# Altium PCB BaseBoard.PcbDoc (part 1 of 3)
Units mm, origin at the board's own origin, x right, y up, seen from the top; angles counter-clockwise.
Board outline 100 x 99.95 mm, 2 copper layers (Top Layer, Bottom Layer), stack 1.57 mm thick; 129 components, 191 nets, 936 pads, 326 vias.
Unrouted connection lines stored in the file: 13.
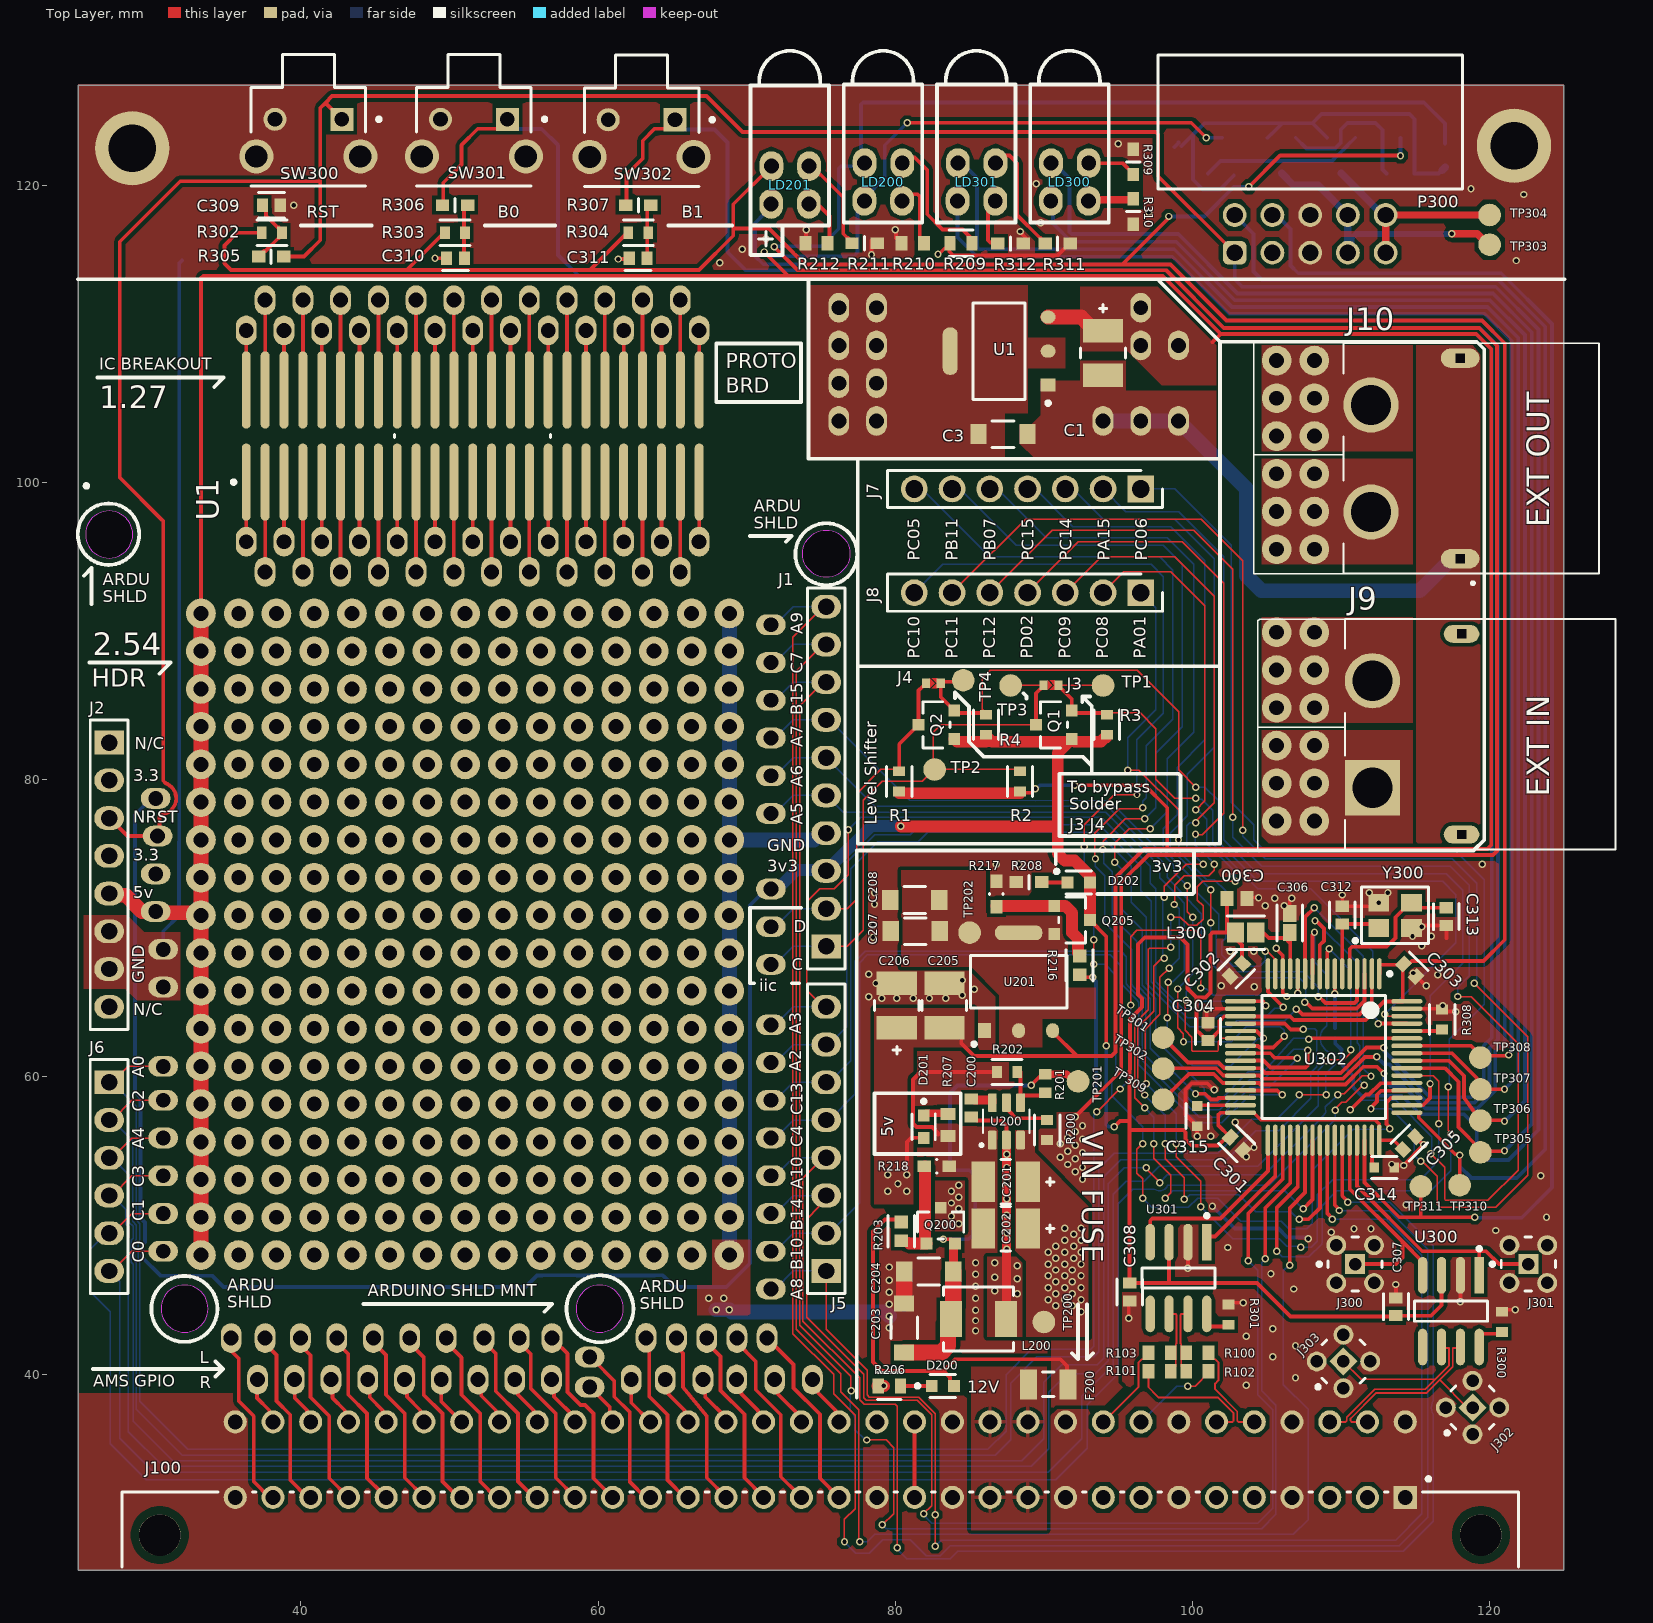
[diagram p0: Top Layer view]
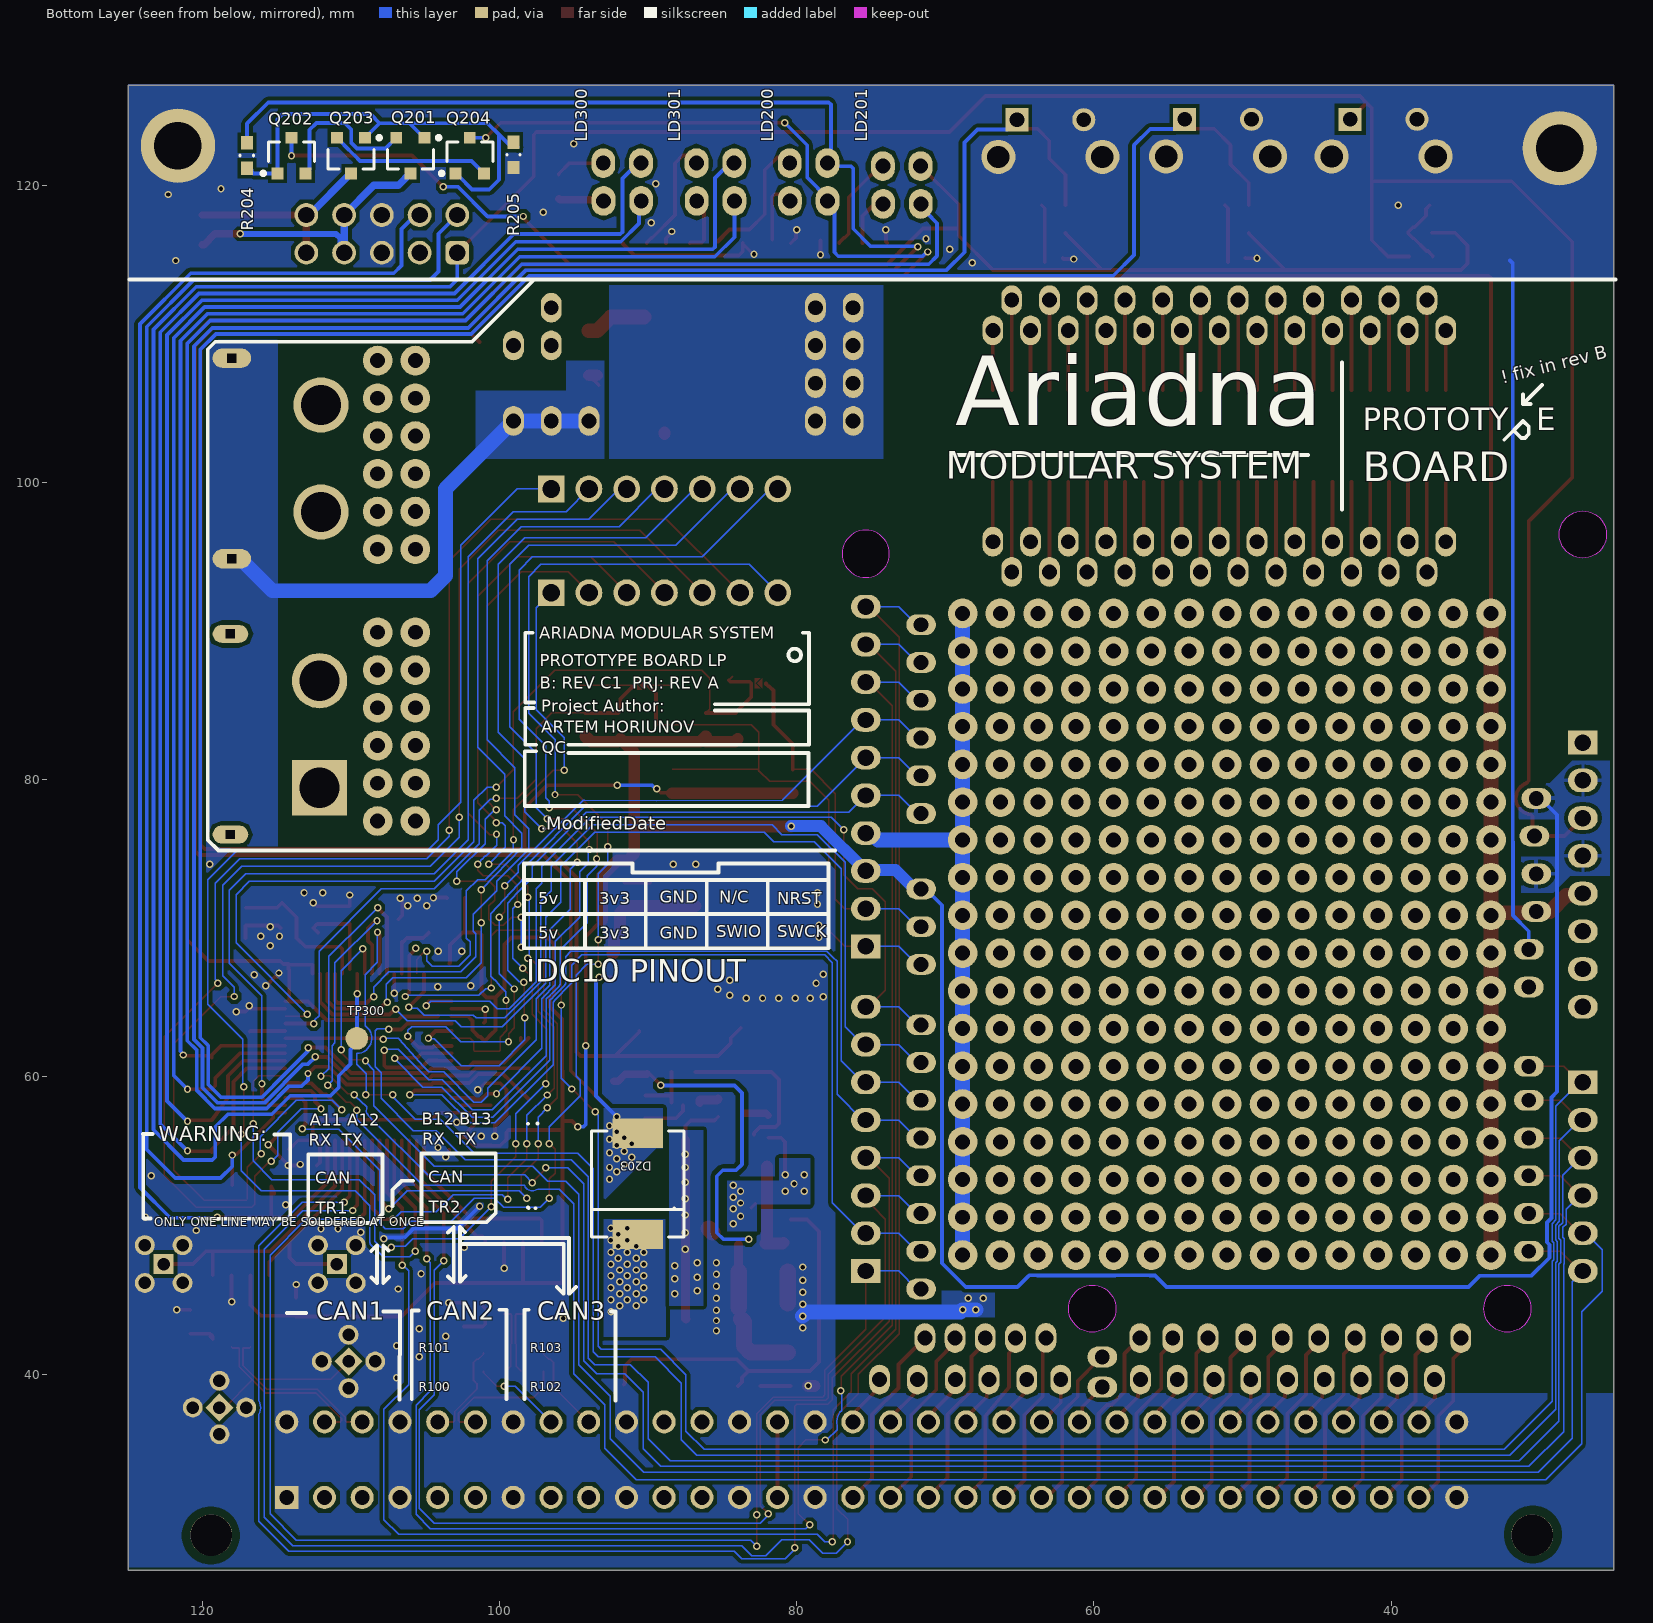
[diagram p1: Bottom Layer view, seen from below]
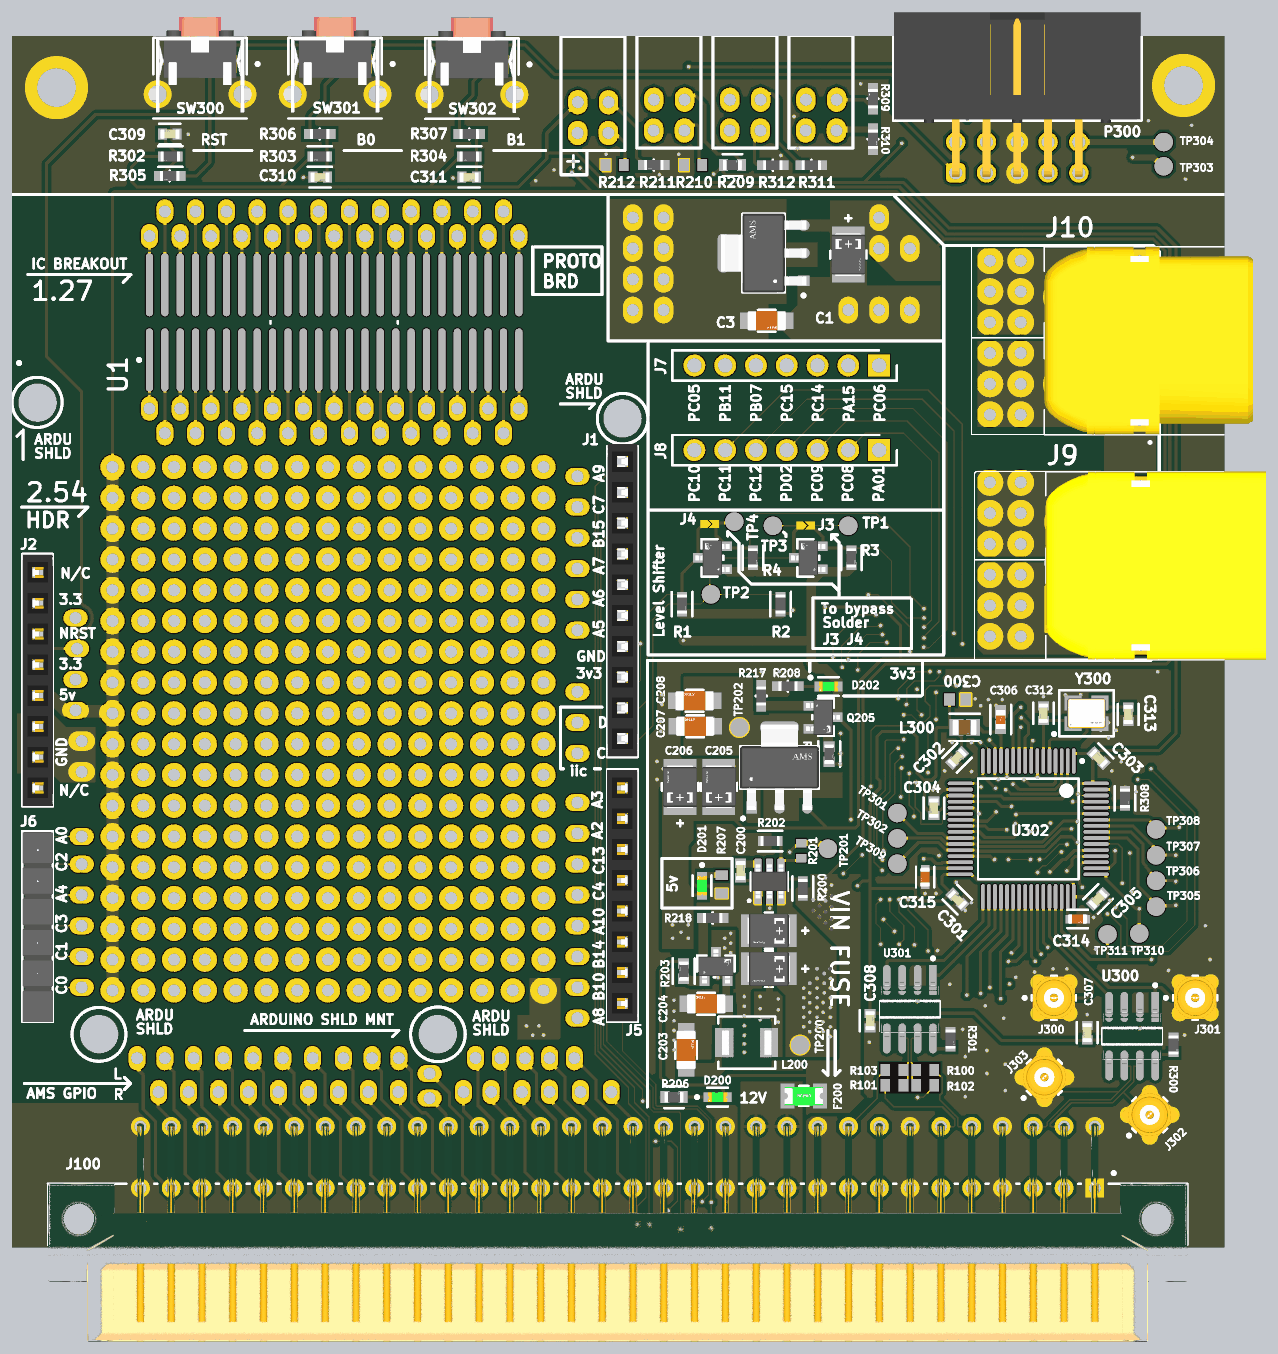
[diagram p4: 3D render of the assembled board from above, using the file's embedded part models]
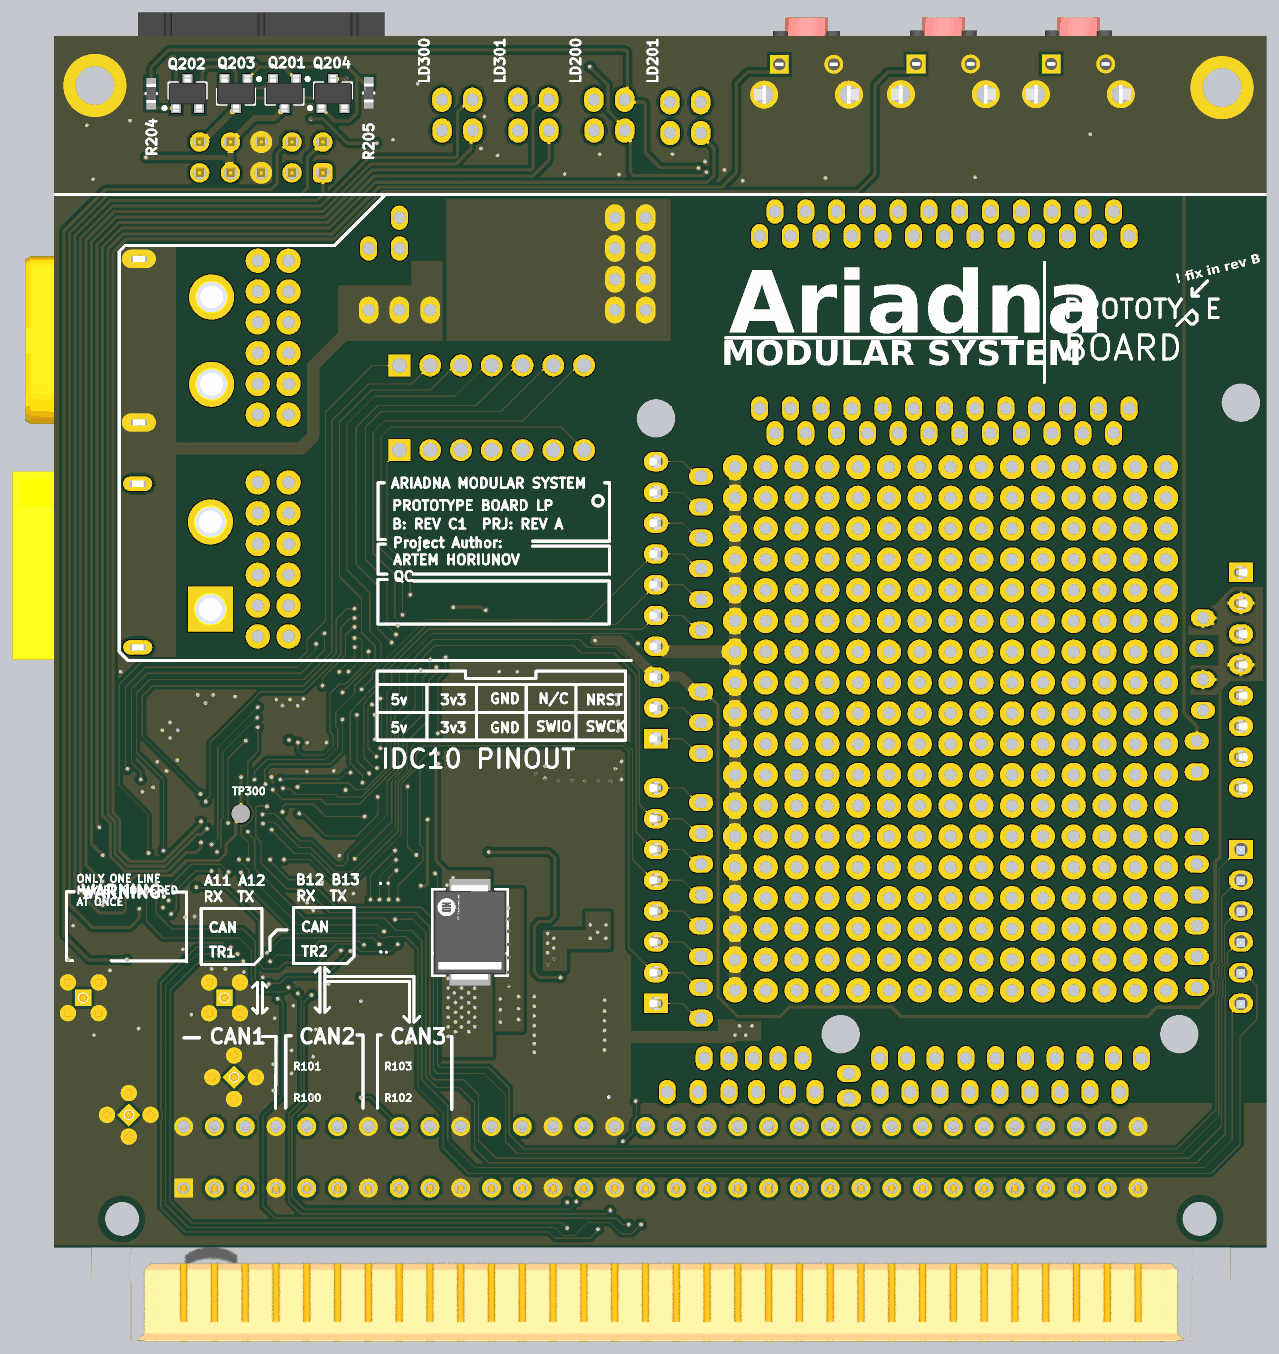
[diagram p5: 3D render of the assembled board from below, using the file's embedded part models]

## Layer stack, top to bottom
Top Solder: solder mask 0.0127, Solder Resist, Dk 3.8
Top Layer: signal copper 0.035
Dielectric: core 1.5, FR-4, Dk 4.5
Bottom Layer: signal copper 0.035
Bottom Solder: solder mask 0.0127, Solder Resist, Dk 3.8

## Board outline
25,26.801 125,26.801 125,126.746 25,126.746
cut-out: 73.765,95.201 cw(c75.352,95.201) 75.352,96.788 cw(c75.352,95.201) 76.94,95.201 cw(c75.352,95.201) 75.352,93.613 cw(c75.352,95.201)
cut-out: 27.092,98.088 ccw(c27.092,96.501) 25.505,96.501 ccw(c27.092,96.501) 27.092,94.913 ccw(c27.092,96.501) 28.68,96.501 ccw(c27.092,96.501)
cut-out: 32.172,45.988 ccw(c32.172,44.401) 30.585,44.401 ccw(c32.172,44.401) 32.172,42.813 ccw(c32.172,44.401) 33.76,44.401 ccw(c32.172,44.401)
cut-out: 60.112,45.988 ccw(c60.112,44.401) 58.525,44.401 ccw(c60.112,44.401) 60.112,42.813 ccw(c60.112,44.401) 61.7,44.401 ccw(c60.112,44.401)

## Design rules (kind name [scope] priority, off if disabled: settings)
Clearance [All] p1: gap=0.254 ignorepadtopadclearanceinfootprint=TRUE except(0: Arc-Hole Track-Hole SMDPad-Hole THPad-Hole Via-Hole Fill-Hole Poly-Hole Region-Hole Text-Hole; 0.127: Arc-Arc Arc-Track Track-Track SMDPad-SMDPad; 0.2: Arc-SMDPad Track-SMDPad; 0.5: THPad-THPad)
DiffPairsRouting can [All] p1: maxlimit=0.127 minlimit=0.127 mostfreqgap=0.127 toplayer_minwidth=0.123 toplayer_maxwidth=0.123 toplayer_prefwidth=0.123 bottomlayer_minwidth=0.123 bottomlayer_maxwidth=0.123 bottomlayer_prefwidth=0.123 impedanceprofiledriven=TRUE impedanceprofileid={8F7F3E9A-355B-4B22-9086-D077723CAE70} impedanceprofilevalue=120.000000 maxuncoupledlength=12.7
HoleSize [All] p1: absolutevalues=TRUE maxlimit=6.3 minlimit=0.3 maxpercent=80.000 minpercent=20.000
MinimumSolderMaskSliver [All] p1: minsoldermaskwidth=0.127
PolygonConnect "LDO 5v" [InNet('5v')] p1: connectstyle=Direct reliefconductorwidth=0.254 reliefentries=4 polygonreliefangle="90 Angle" airgapwidth=0.254
PolygonConnect LDO_out_releaf [InNet('LDO_OUT')] p2: thpad.connectstyle=Direct thpad.reliefconductorwidth=0.254 thpad.reliefentries=4 thpad.polygonreliefangle="90 Angle" thpad.airgapwidth=0.254 smdpad.connectstyle=Direct smdpad.reliefconductorwidth=0.254 smdpad.reliefentries=4 smdpad.polygonreliefangle="90 Angle" smdpad.airgapwidth=0.254 via.connectstyle=Relief via.reliefconductorwidth=0.254 via.reliefentries=4 via.polygonreliefangle="90 Angle" via.airgapwidth=0.254
PolygonConnect EXT_out+ [InNet('EXT_OUT+')] p3: connectstyle=Direct reliefconductorwidth=0.254 reliefentries=4 polygonreliefangle="90 Angle" airgapwidth=0.254
PolygonConnect EXT_out- [InNet('EXT_OUT-')] p4: connectstyle=Direct reliefconductorwidth=0.254 reliefentries=4 polygonreliefangle="90 Angle" airgapwidth=0.254
PolygonConnect EXT_pwr_no_releaf2 [InNet('EXT_PWR+')] p5: connectstyle=Direct reliefconductorwidth=0.254 reliefentries=4 polygonreliefangle="90 Angle" airgapwidth=0.254
PolygonConnect EXT_pwr_no_releaf [InNet('EXT_PWR-')] p6: connectstyle=Direct reliefconductorwidth=0.254 reliefentries=4 polygonreliefangle="90 Angle" airgapwidth=0.254
PolygonConnect GND_polygon [InNet('GND')] p7: connectstyle=Direct reliefconductorwidth=0.254 reliefentries=4 polygonreliefangle="90 Angle" airgapwidth=0.254
PolygonConnect "STM32-no releaf" [HasFootprint('STM-LQFP64_M')] p8: connectstyle=Direct reliefconductorwidth=0.254 reliefentries=4 polygonreliefangle="90 Angle" airgapwidth=0.254
PolygonConnect [All] p9: thpad.connectstyle=Relief thpad.reliefconductorwidth=0.254 thpad.reliefentries=4 thpad.polygonreliefangle="90 Angle" thpad.airgapwidth=0.254 smdpad.connectstyle=Direct smdpad.reliefconductorwidth=0.254 smdpad.reliefentries=4 smdpad.polygonreliefangle="90 Angle" smdpad.airgapwidth=0.254 via.connectstyle=Direct via.reliefconductorwidth=0.254 via.reliefentries=4 via.polygonreliefangle="90 Angle" via.airgapwidth=0.254
RoutingVias [All] p1: holewidth=0.3 width=0.5 viastyle="Through Hole" minholewidth=0.3 minwidth=0.5 maxholewidth=0.5 maxwidth=0.7
SilkToSilkClearance [All] p1: silktosilkclearance=0.001
SilkToSolderMaskClearance [IsPad] p1: minsilkscreentomaskgap=0.1 clearancetoexposedcopper=TRUE
SolderMaskExpansion SolderMaskExpansion_Vias [IsVia] p1: expansion=0.102 istentingtop=TRUE
SolderMaskExpansion [All] p2: expansion=0.102 istentingtop=FALSE
SupplyNets "Schematic Supply Nets_9" [InNet('24V_UNPROTECTED')] p1: voltage=0.000
SupplyNets "Schematic Supply Nets_8" [InNet('3,3V')] p2: voltage=0.000
SupplyNets "Schematic Supply Nets_7" [InNet('3,3VDDA')] p3: voltage=0.000
SupplyNets "Schematic Supply Nets_6" [InNet('5V_STLINK')] p4: voltage=0.000
SupplyNets "Schematic Supply Nets_5" [InNet('12V_UNPROTECTED')] p5: voltage=0.000
SupplyNets "Schematic Supply Nets_4" [InNet('GND')] p6: voltage=0.000
SupplyNets "Schematic Supply Nets_3" [InNet('12V_FUSED')] p7: voltage=0.000
SupplyNets "Schematic Supply Nets_2" [InNet('5v')] p8: voltage=0.000
SupplyNets "Schematic Supply Nets_1" [InNet('LDO_OUT')] p9: voltage=0.000
SupplyNets "Schematic Supply Nets" [InNet('3,3V_STLINK')] p10: voltage=0.000
Width [All] p1: maxlimit=2.54 minlimit=0.05 preferedwidth=0.254 minimp=50.000000 maximp=50.000000 favimp=50.000000
25 further rules are at their usual default settings.

## Classes and differential pairs
component class Designator: C1 C3 J1 J2 J3 J4 J5 J6 J7 J8 J9 J10 Q1 Q2 R1 R2 R3 R4 TP1 TP2 TP3 TP4 U1
component class U_uC: C301 C302 C303 C304 C305 C306 C307 C308 C309 C310 C311 C312 C313 C314 C315 J300 J301 J302 J303 L300 LD300 LD301 P300 R300 R301 R302 R303 R304 R305 R306 R307 R308 R309 R310 R311 R312 SW300 SW301 SW302 TP300 TP301 TP302 TP303 TP304 TP305 TP306 TP307 TP308 TP309 TP310 TP311 U301 U302 Y300
component class U_power: 3v3 C200 C201 C202 C203 C204 C205 C206 C207 C208 D200 D201 D202 D203 F200 L200 LD200 LD201 Q200 Q201 Q202 Q203 Q204 Q205 R200 R201 R202 R203 R204 R205 R206 R207 R208 R209 R210 R211 R212 R216 R217 R218 TP200 TP201 TP202 U200 U201
component class main: J100 R100 R101 R102 R103
differential pair CAN_2: +CAN_2_P -CAN_2_N
differential pair CAN3: +CAN3_P -CAN3_N
differential pair CAN2: +CAN2_P -CAN2_N
differential pair CAN1: +CAN1_P -CAN1_N

## Components (designator, comment, footprint, x,y, rotation, side; value= is the part's Value field where it differs from the comment)
C1 "10u" FP-POSCAP-B2-MFG 93.98,108.712 r90 top
C3 "22u" FP-C3216-085-0_2-MFG 87.249,103.251 r0 top
C200 "100n" FP-C0603C-CF-MFG 85.1,57.9 r270 top value="0.10 μF"
C201 "10uF" FP-POSCAP-B2-MFG 87.427,52.937 r0 top
C202 "10uF" FP-POSCAP-B2-MFG 87.427,49.788 r0 top
C203 "22u" FP-C3216-085-0_2-MFG 80.6,43.1 r90 top
C204 "22u" FP-C3216-085-0_2-MFG 82.258,46.9 r180 top
C205 "10uF" FP-POSCAP-B2-MFG 83.3,64.8 r270 top
C206 "10uF" FP-POSCAP-B2-MFG 80.1,64.8 r270 top
C207 "22u" FP-C3216-085-0_2-MFG 81.35,69.8 r180 top
C208 "22u" FP-C3216-085-0_2-MFG 81.3,71.9 r180 top
C300 "4u7" CAPC1608X87X35NL15T15 102.997,72.009 r180 top
C301 "100n" FP-C0603C-CF-MFG 102.971,55.51 r315 top value="0.10 μF"
C302 "100n" FP-C0603C-CF-MFG 102.955,67.194 r225 top value="0.10 μF"
C303 "100n" FP-C0603C-CF-MFG 114.631,67.169 r315 top value="0.10 μF"
C304 "100n" FP-C0603C-CF-MFG 101.041,63.043 r90 top value="0.10 μF"
C305 "100n" FP-C0603C-CF-MFG 114.587,55.544 r45 top value="0.10 μF"
C306 "1uF" FP-C1608-080-0_1-IPC_B 106.553,70.358 r270 top
C307 "100n" FP-C0603C-CF-MFG 113.69,44.526 r90 top value="0.10 μF"
C308 "100n" FP-C0603C-CF-MFG 95.783,45.517 r270 top value="0.10 μF"
C309 "100n" FP-C0603C-CF-MFG 38.01,118.659 r0 top value="0.10 μF"
C310 "100n" FP-C0603C-CF-MFG 50.4,115.1 r180 top value="0.10 μF"
C311 "100n" FP-C0603C-CF-MFG 62.7,115.1 r180 top value="0.10 μF"
C312 "20p" FP-C0603C-CF-MFG 110.083,70.877 r90 top value="20 pF"
C313 "20p" FP-C0603C-CF-MFG 117.079,70.778 r270 top value="20 pF"
C314 "2u2" FP-GRM188-0_1-e0_2_0_5-MFG 112.903,53.899 r0 top
C315 "2u2" FP-GRM188-0_1-e0_2_0_5-MFG 100.312,57.36 r270 top
D200 "Green LED" FP-HSME-C191-MFG 83.2,39.2 r0 top
D201 "Green LED" FP-HSME-C191-MFG 81.915,56.646 r270 top
D202 "Green LED" FP-HSME-C191-MFG 92.348,73.077 r0 top
D203 "SS32" FP-403AG-MFG 90.7,52.795 r90 bottom
F200 "6A" FP-0466-MFG 90.3,39.3 r0 top
J1 "HDR Female Single Row 10 contacts 2.55mm" FEMALE_HEADER_10 75.352,68.777 r180 top locked
J2 "HDR Female 1×8 2.54mm" "HDR FEMALE 1~8 2.54MM" 27.092,82.493 r0 top locked
J3 "JUMPER" JUMPER 90.424,86.36 r270 top
J4 "JUMPER" JUMPER 82.508,86.487 r270 top
J5 "HDR Female 1×8 2.54mm" "HDR FEMALE 1~8 2.54MM" 75.352,46.933 r180 top locked
J6 "HDR Female 6×1 2.54mm" "HDR FEMALE 1~6 2.54MM" 27.092,59.633 r0 top locked
J7 "M20-7820742" RHDR7W70P0X254_1X7_1818X250X865P 96.52,99.568 r180 top
J8 "M20-7820742" RHDR7W70P0X254_1X7_1818X250X865P 96.52,92.583 r180 top
J9 "XT60PW-M" AMASS_XT60PW-M 118.11,83.058 r270 top
J10 "XT60PW-F" AMASS_XT60PW-F 112.014,101.615 r90 top
J100 "09 03 164 6921" FP-09_03_164_6921-MFG 74.95,25.56 r0 top locked
J300 "73415-1472" FP-73415-1472-MFG 110.947,47.396 r0 top
J301 "73415-1472" FP-73415-1472-MFG 122.6,47.4 r0 top
J302 "73415-1472" FP-73415-1472-MFG 118.847,37.744 r45 top
J303 "73415-1472" FP-73415-1472-MFG 110.16,40.843 r45 top
L200 "3u3" FP-SRP4020TA-MFG 85.6,43.7 r180 top value=3.3uH
L300 "4u7" FP-LQM21DH_70-IPC_C 103.581,69.709 r0 top
LD200 "" LED_HOLDER#1 79.156,121.503 r0 top
LD201 "" LED_HOLDER#2 72.883,121.503 r0 top
LD300 "" LED_HOLDER#1 91.7,121.503 r0 top
LD301 "" LED_HOLDER#1 85.428,121.503 r0 top
P300 "61201021721" 61201021721 107.92,124.265 r180 top
Q1 "AO3400A" FP-SOT23-MFG 90.678,83.693 r180 top
Q2 "AO3400A" FP-SOT23-MFG 82.769,83.693 r180 top
Q200 "AO3400A" FP-SOT23-MFG 83.058,49.991 r90 top
Q201 "AO3401A" AO-SOT-23-3L_V 106,122 r270 bottom
Q202 "AO3401A" AO-SOT-23-3L_V 114,122 r90 bottom
Q203 "AO3401A" AO-SOT-23-3L_V 110,122 r270 bottom
Q204 "AO3401A" AO-SOT-23-3L_V 102,122 r90 bottom
Q205 "AO3400A" FP-SOT23-MFG 91.9,70.55 r0 top
R1 "10k" FP-RC0603-0_55-IPC_C 80.264,79.883 r270 top
R2 "10k" FP-RC0603-0_55-IPC_C 88.392,79.883 r270 top
R3 "10k" FP-RC0603-0_55-IPC_C 94.234,83.693 r270 top
R4 "10k" FP-RC0603-0_55-IPC_C 86.106,83.693 r270 top
R100 "0R" RESC1608X55X25ML10T15 100.33,41.427 r180 top
R101 "0R" RESC1608X55X25ML10T15 97.79,40.183 r0 top
R102 "0R" RESC1608X55X25ML10T15 100.33,40.183 r180 top
R103 "0R" RESC1608X55X25ML10T15 97.79,41.427 r0 top
R200 "10k" FP-RC0603-0_55-IPC_C 90.221,56.417 r270 top
R201 "54k9" RESC1608X55X30LL15T15 90.095,59.541 r90 top
R202 "10k" FP-RC0603-0_55-IPC_C 87.53,60.329 r0 top
R203 "1k" FP-ERA3A-IPC_C 80.4,49.6 r90 top
R204 "100k" FP-RC0603-0_55-MFG 117,122 r270 bottom
R205 "100k" FP-RC0603-0_55-MFG 99.06,122.047 r90 bottom
R206 "680R" FP-CRCW0603-e3-MFG 79.6,39.2 r0 top
R207 "220R" RESC1608X55X25ML10T15 83.54,56.76 r90 top
R208 "100R" FP-RC0603-0_55-MFG 89,73.1 r0 top
R209 "680R" FP-CRCW0603-e3-MFG 84.42,116.1 r0 top
R210 "220R" RESC1608X55X25ML10T15 81.18,116.1 r0 top
R211 "100R" FP-RC0603-0_55-MFG 77.94,116.1 r180 top
R212 "220R" RESC1608X55X25ML10T15 74.7,116.1 r0 top
R216 "1k" FP-ERA3A-IPC_C 92.4,67.5 r270 top
R217 "100k" FP-RC0603-0_55-MFG 86.8,72.3 r90 top
R218 "100k" FP-RC0603-0_55-MFG 82.791,53.979 r0 top
R300 "10k" FP-RC0603-0_55-IPC_C 120.817,43.51 r270 top
R301 "10k" FP-RC0603-0_55-IPC_C 102.413,43.993 r270 top
R302 "10k" FP-RC0603-0_55-IPC_C 38.047,116.805 r180 top
R303 "10k" FP-RC0603-0_55-IPC_C 50.375,116.805 r180 top
R304 "10k" FP-RC0603-0_55-IPC_C 62.705,116.805 r180 top
R305 "100R" FP-RC0603-0_55-MFG 38,115.2 r180 top
R306 "100R" FP-RC0603-0_55-MFG 50.375,118.659 r0 top
R307 "100R" FP-RC0603-0_55-MFG 62.705,118.659 r0 top
R308 "10k" FP-RC0603-0_55-IPC_C 116.806,63.856 r270 top
R309 "100R" FP-RC0603-0_55-MFG 96.012,121.578 r90 top
R310 "100R" FP-RC0603-0_55-MFG 96.012,118.237 r270 top
R311 "100R" FP-RC0603-0_55-MFG 90.932,116.078 r0 top
R312 "100R" FP-RC0603-0_55-MFG 87.757,116.078 r0 top
SW300 "B3F-3122" FP-B3F-3122-MFG 40.5,124.367 r180 top
SW301 "B3F-3122" FP-B3F-3122-MFG 51.64,124.367 r180 top
SW302 "B3F-3122" FP-B3F-3122-MFG 62.93,124.334 r180 top
TP1 "TestPoint" TestPoint 93.98,86.336 r0 top
TP2 "TestPoint" TestPoint 82.647,80.683 r90 top
TP3 "TestPoint" TestPoint 87.76,86.336 r90 top
TP4 "TestPoint" TestPoint 84.574,86.688 r90 top
TP200 "TestPoint" TestPoint 90,43.5 r180 top
TP201 "TestPoint" TestPoint 92.3,59.7 r180 top
TP202 "TestPoint" TestPoint 85,69.7 r90 top